# Altium PCB 0416.PcbDoc (part 1 of 3)
Units mm, origin at the board's own origin, x right, y up, seen from the top; angles counter-clockwise.
Board outline 152.4 x 101.6 mm, 4 copper layers (Top Layer, Signal Layer 2, Signal Layer 1, Bottom Layer), stack 0.778 mm thick; 260 components, 304 nets, 1192 pads, 269 vias.
Unrouted connection lines stored in the file: 259.
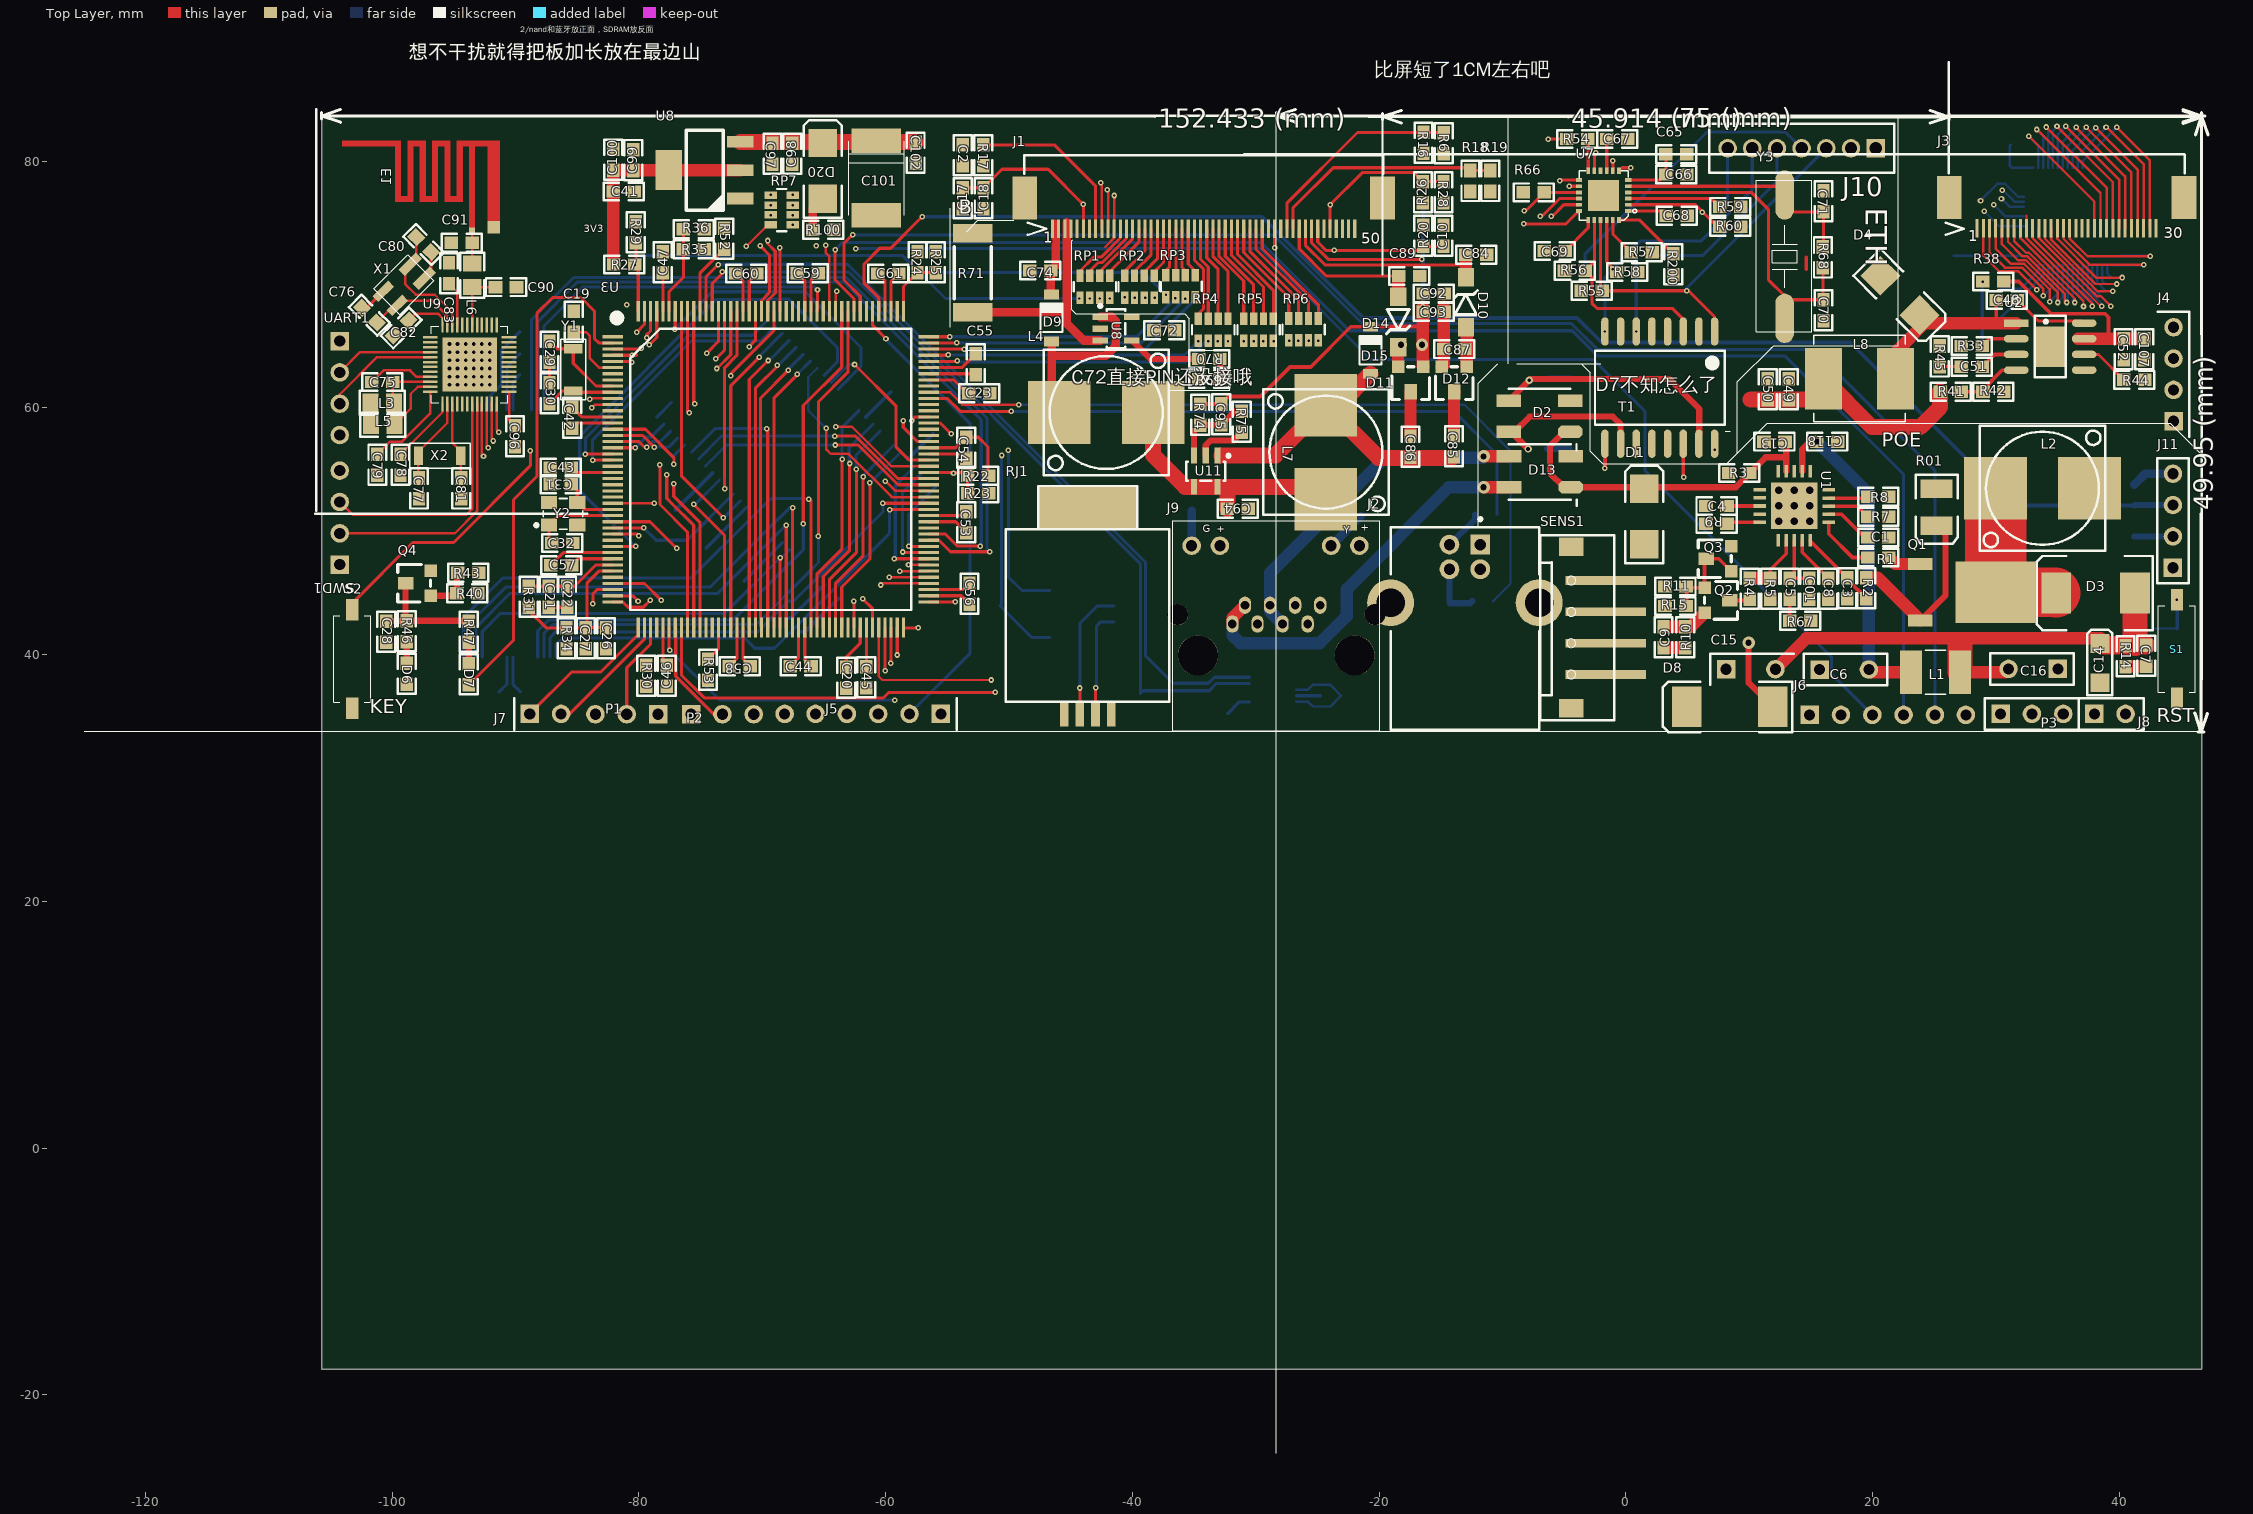
[diagram p0: Top Layer view]
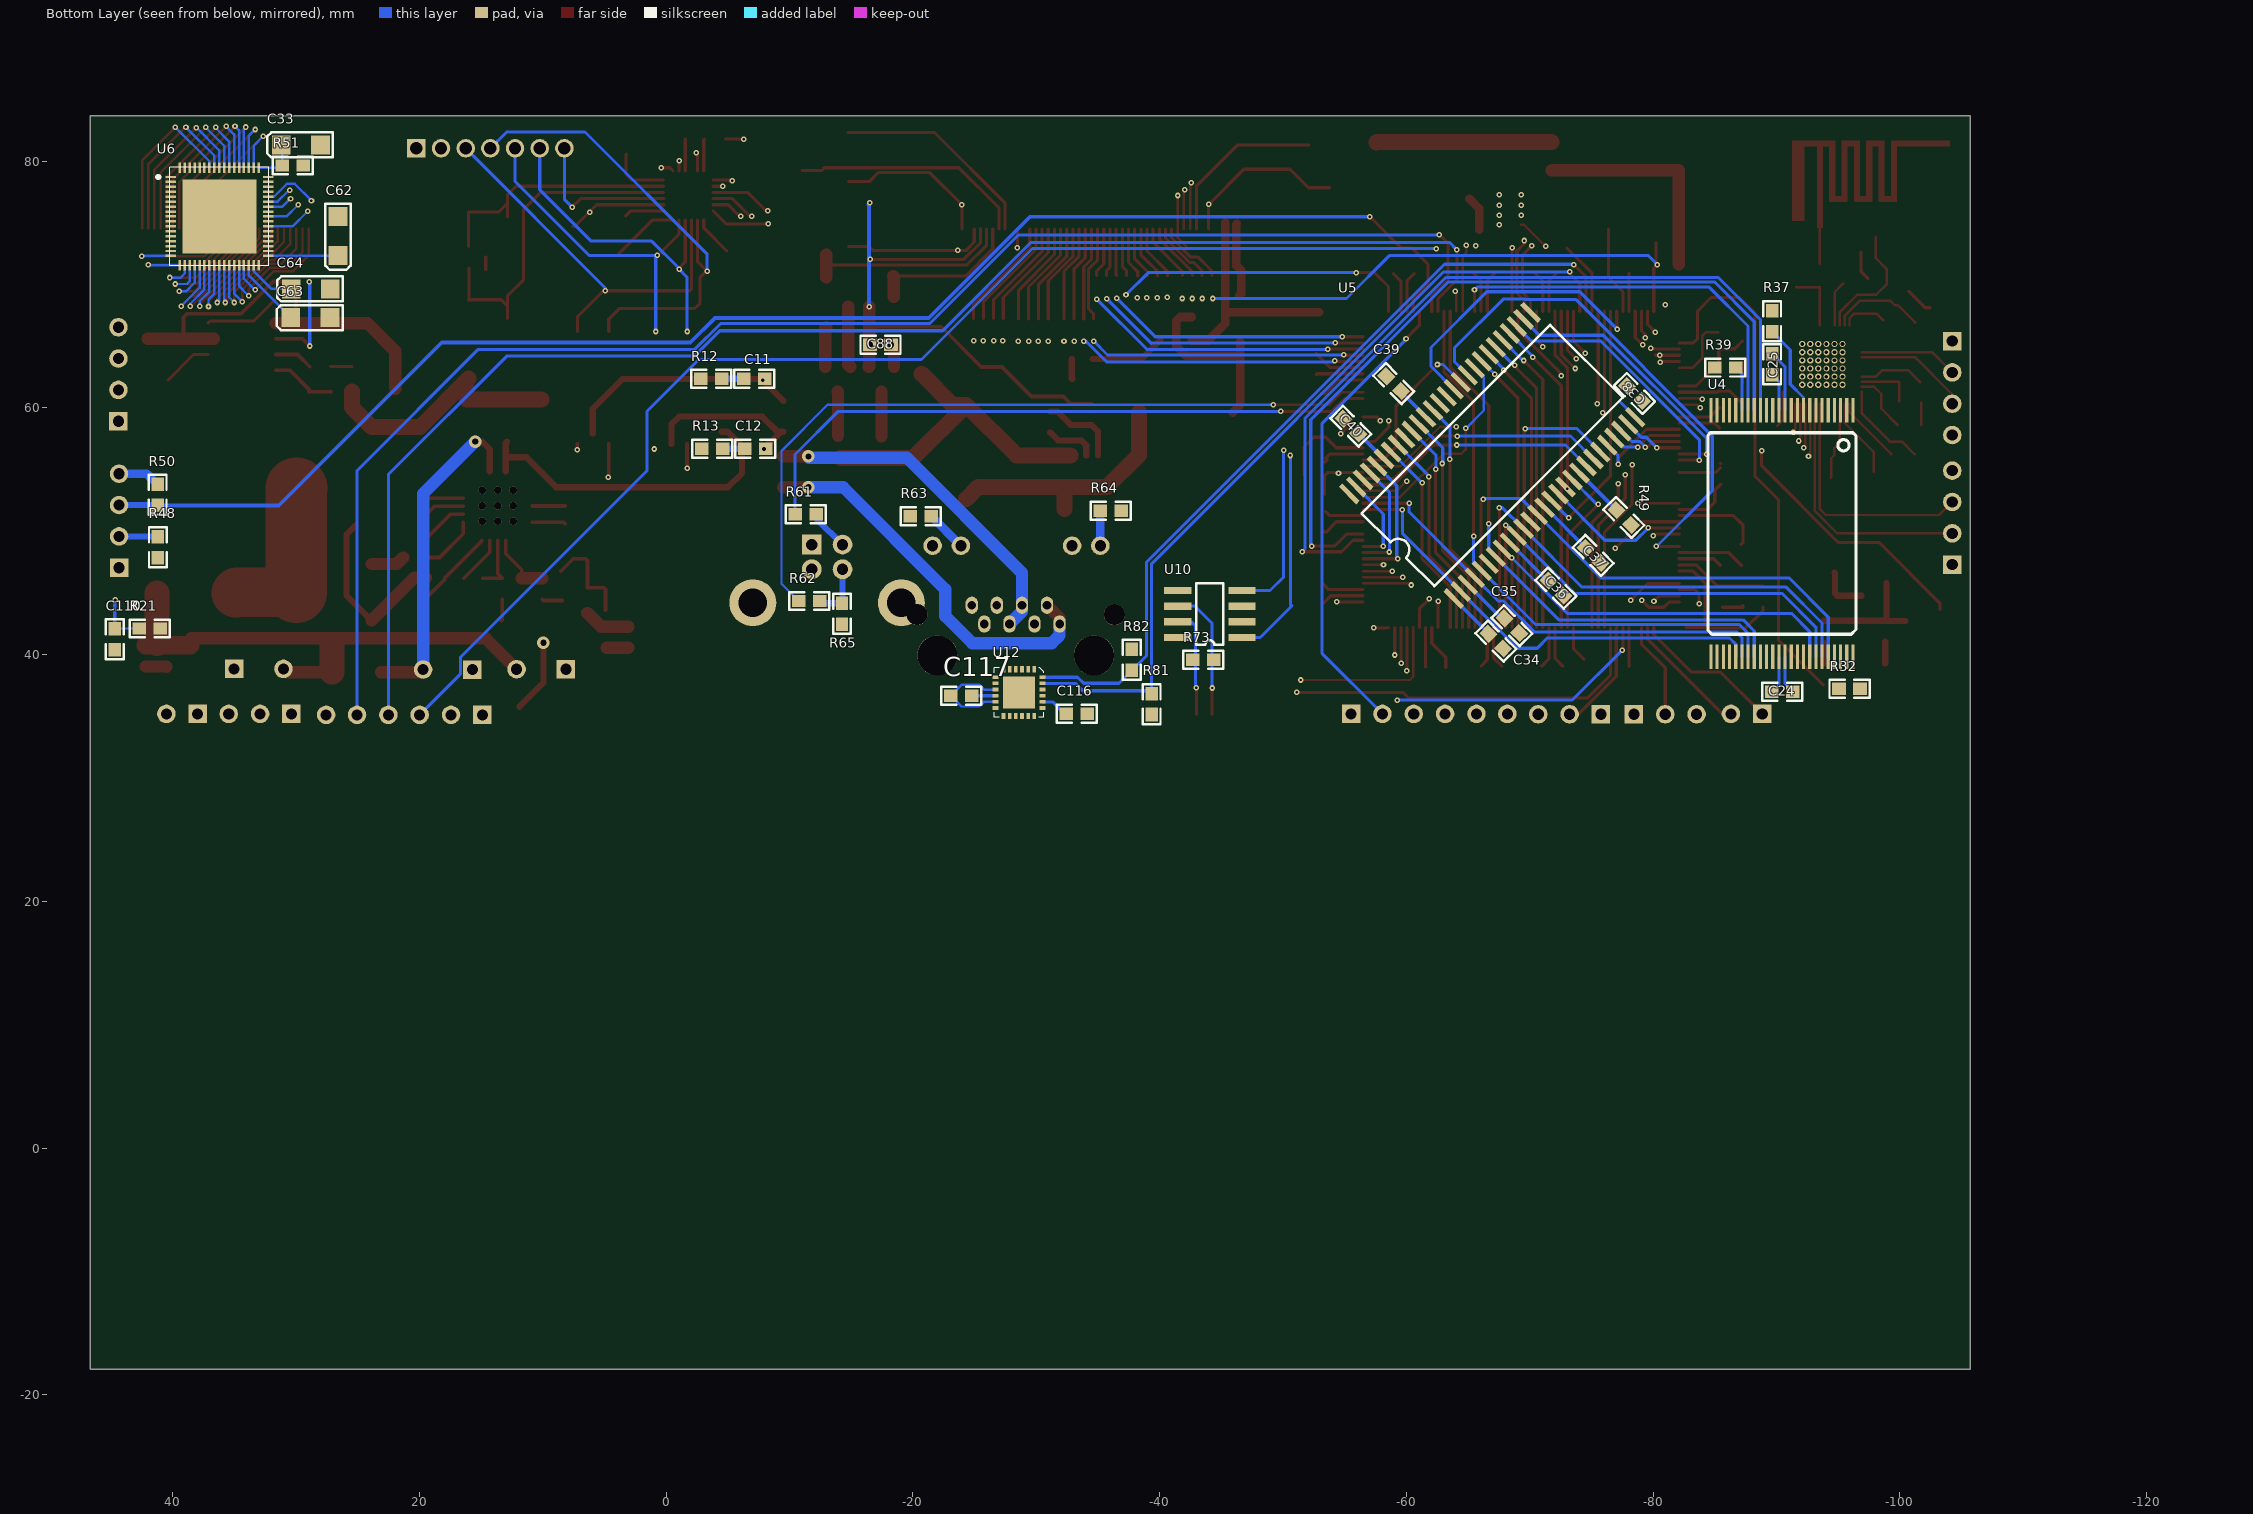
[diagram p1: Bottom Layer view, seen from below]
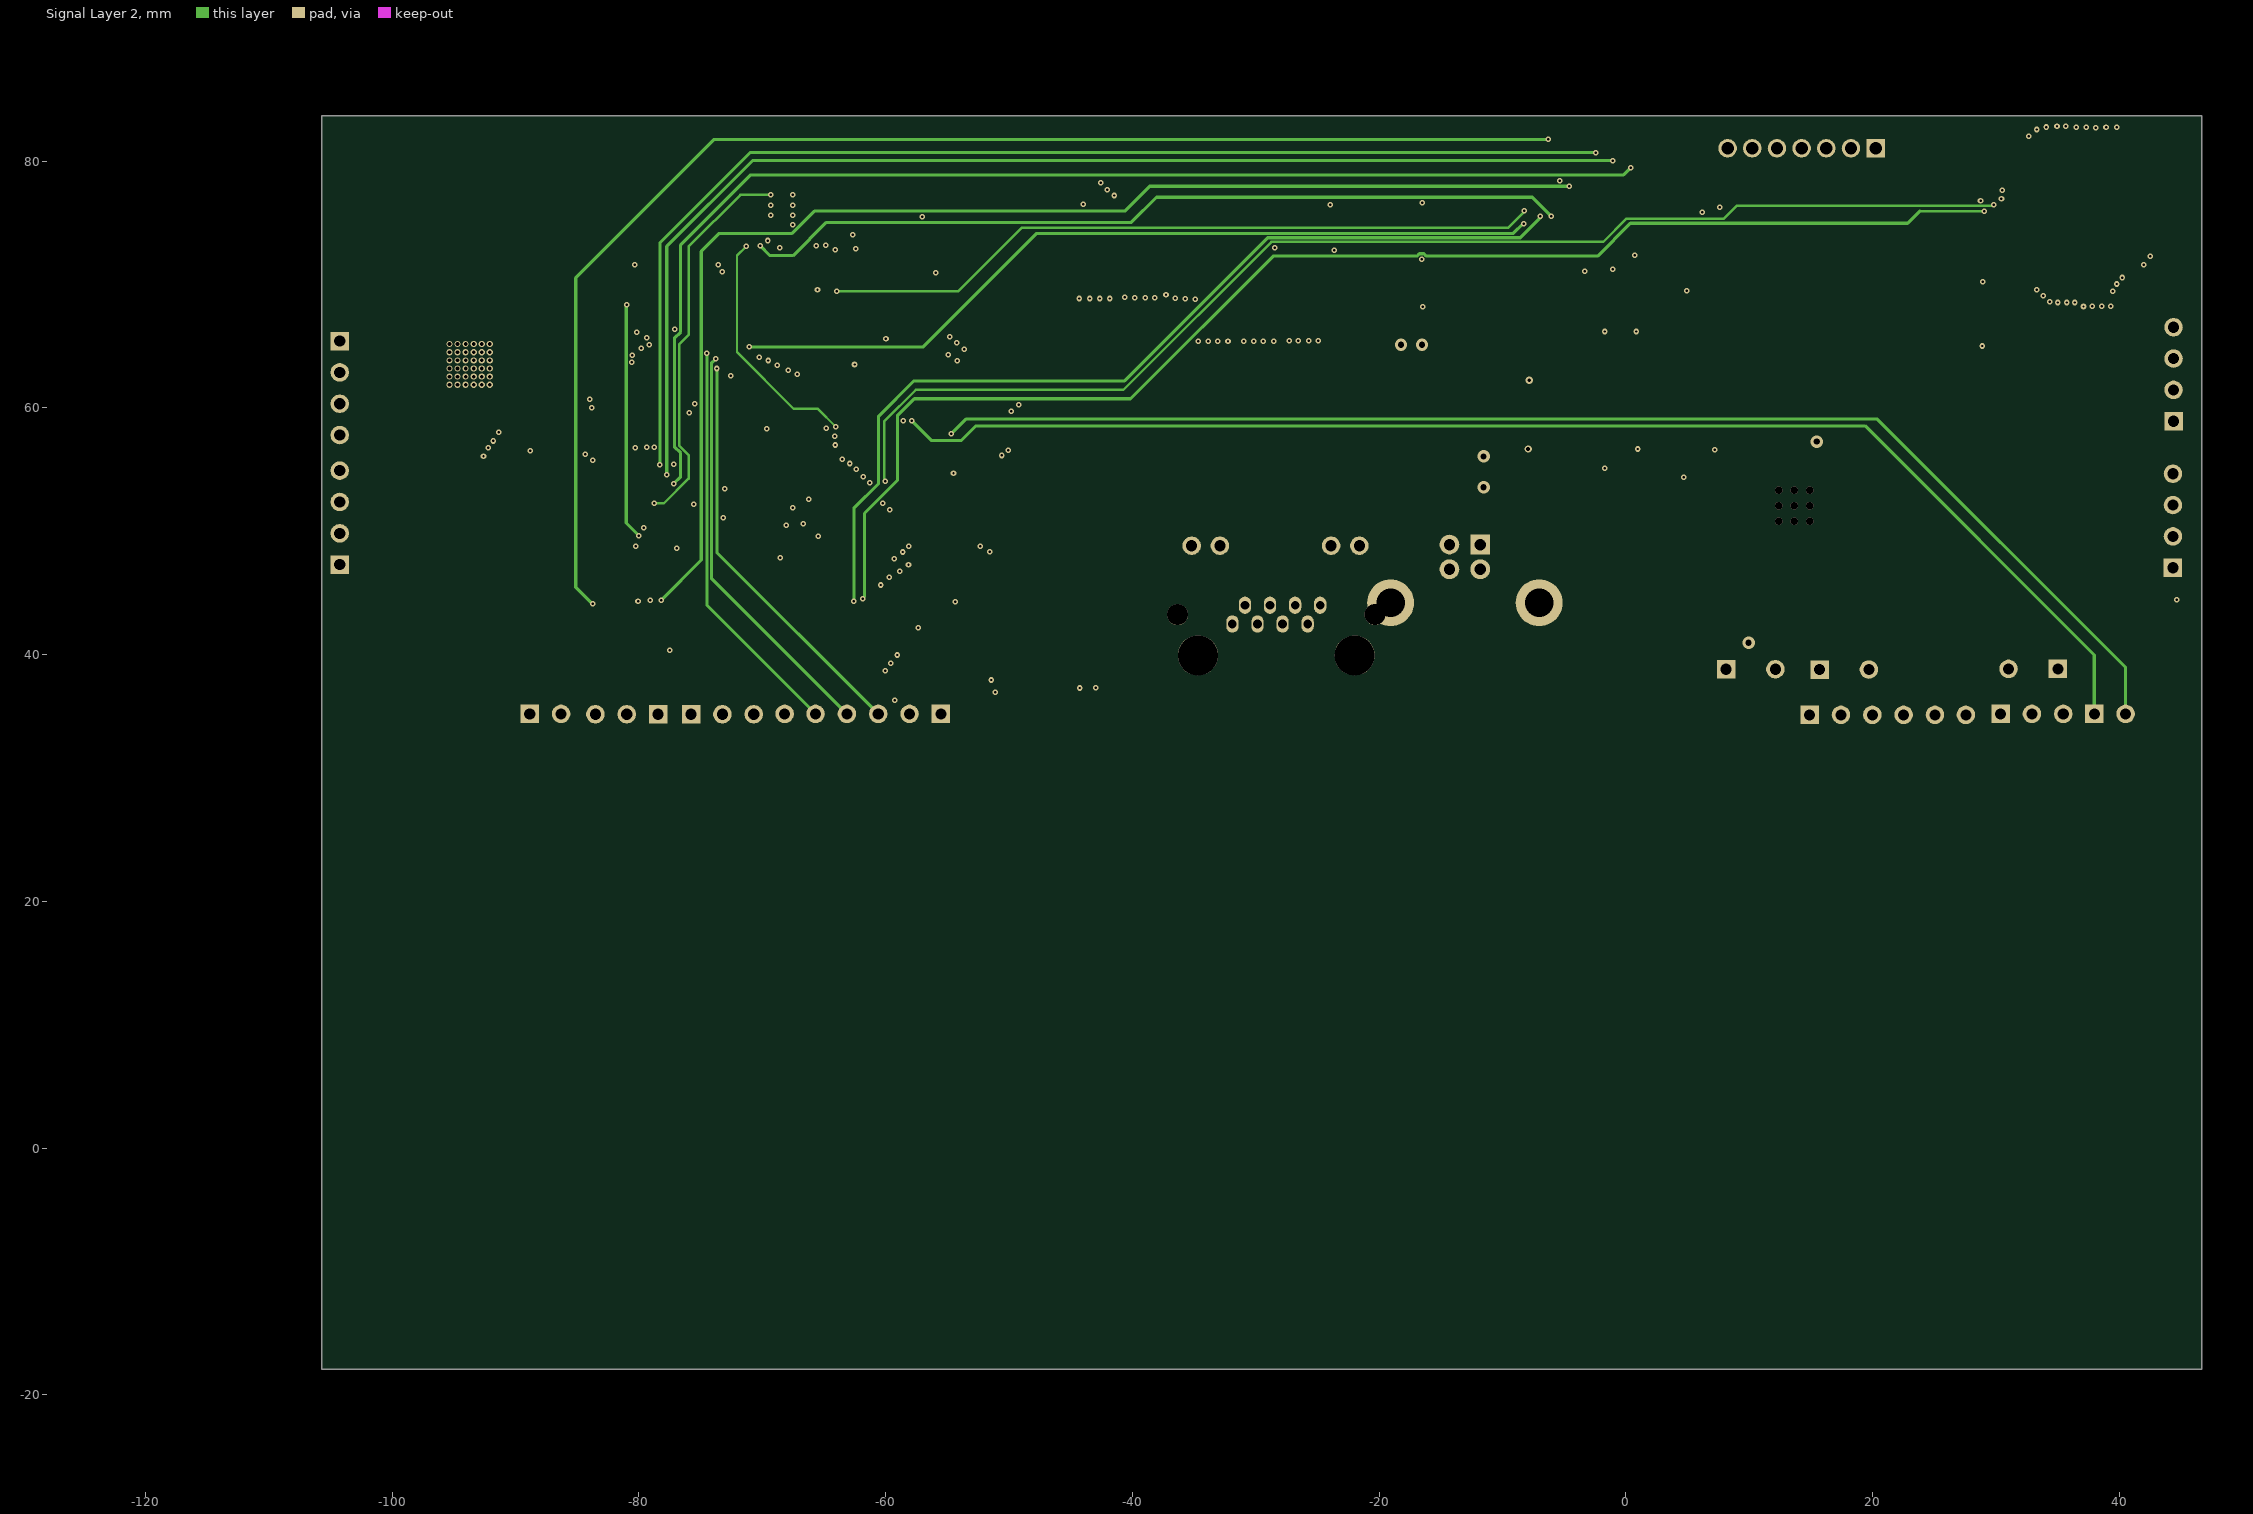
[diagram p2: Signal Layer 2]
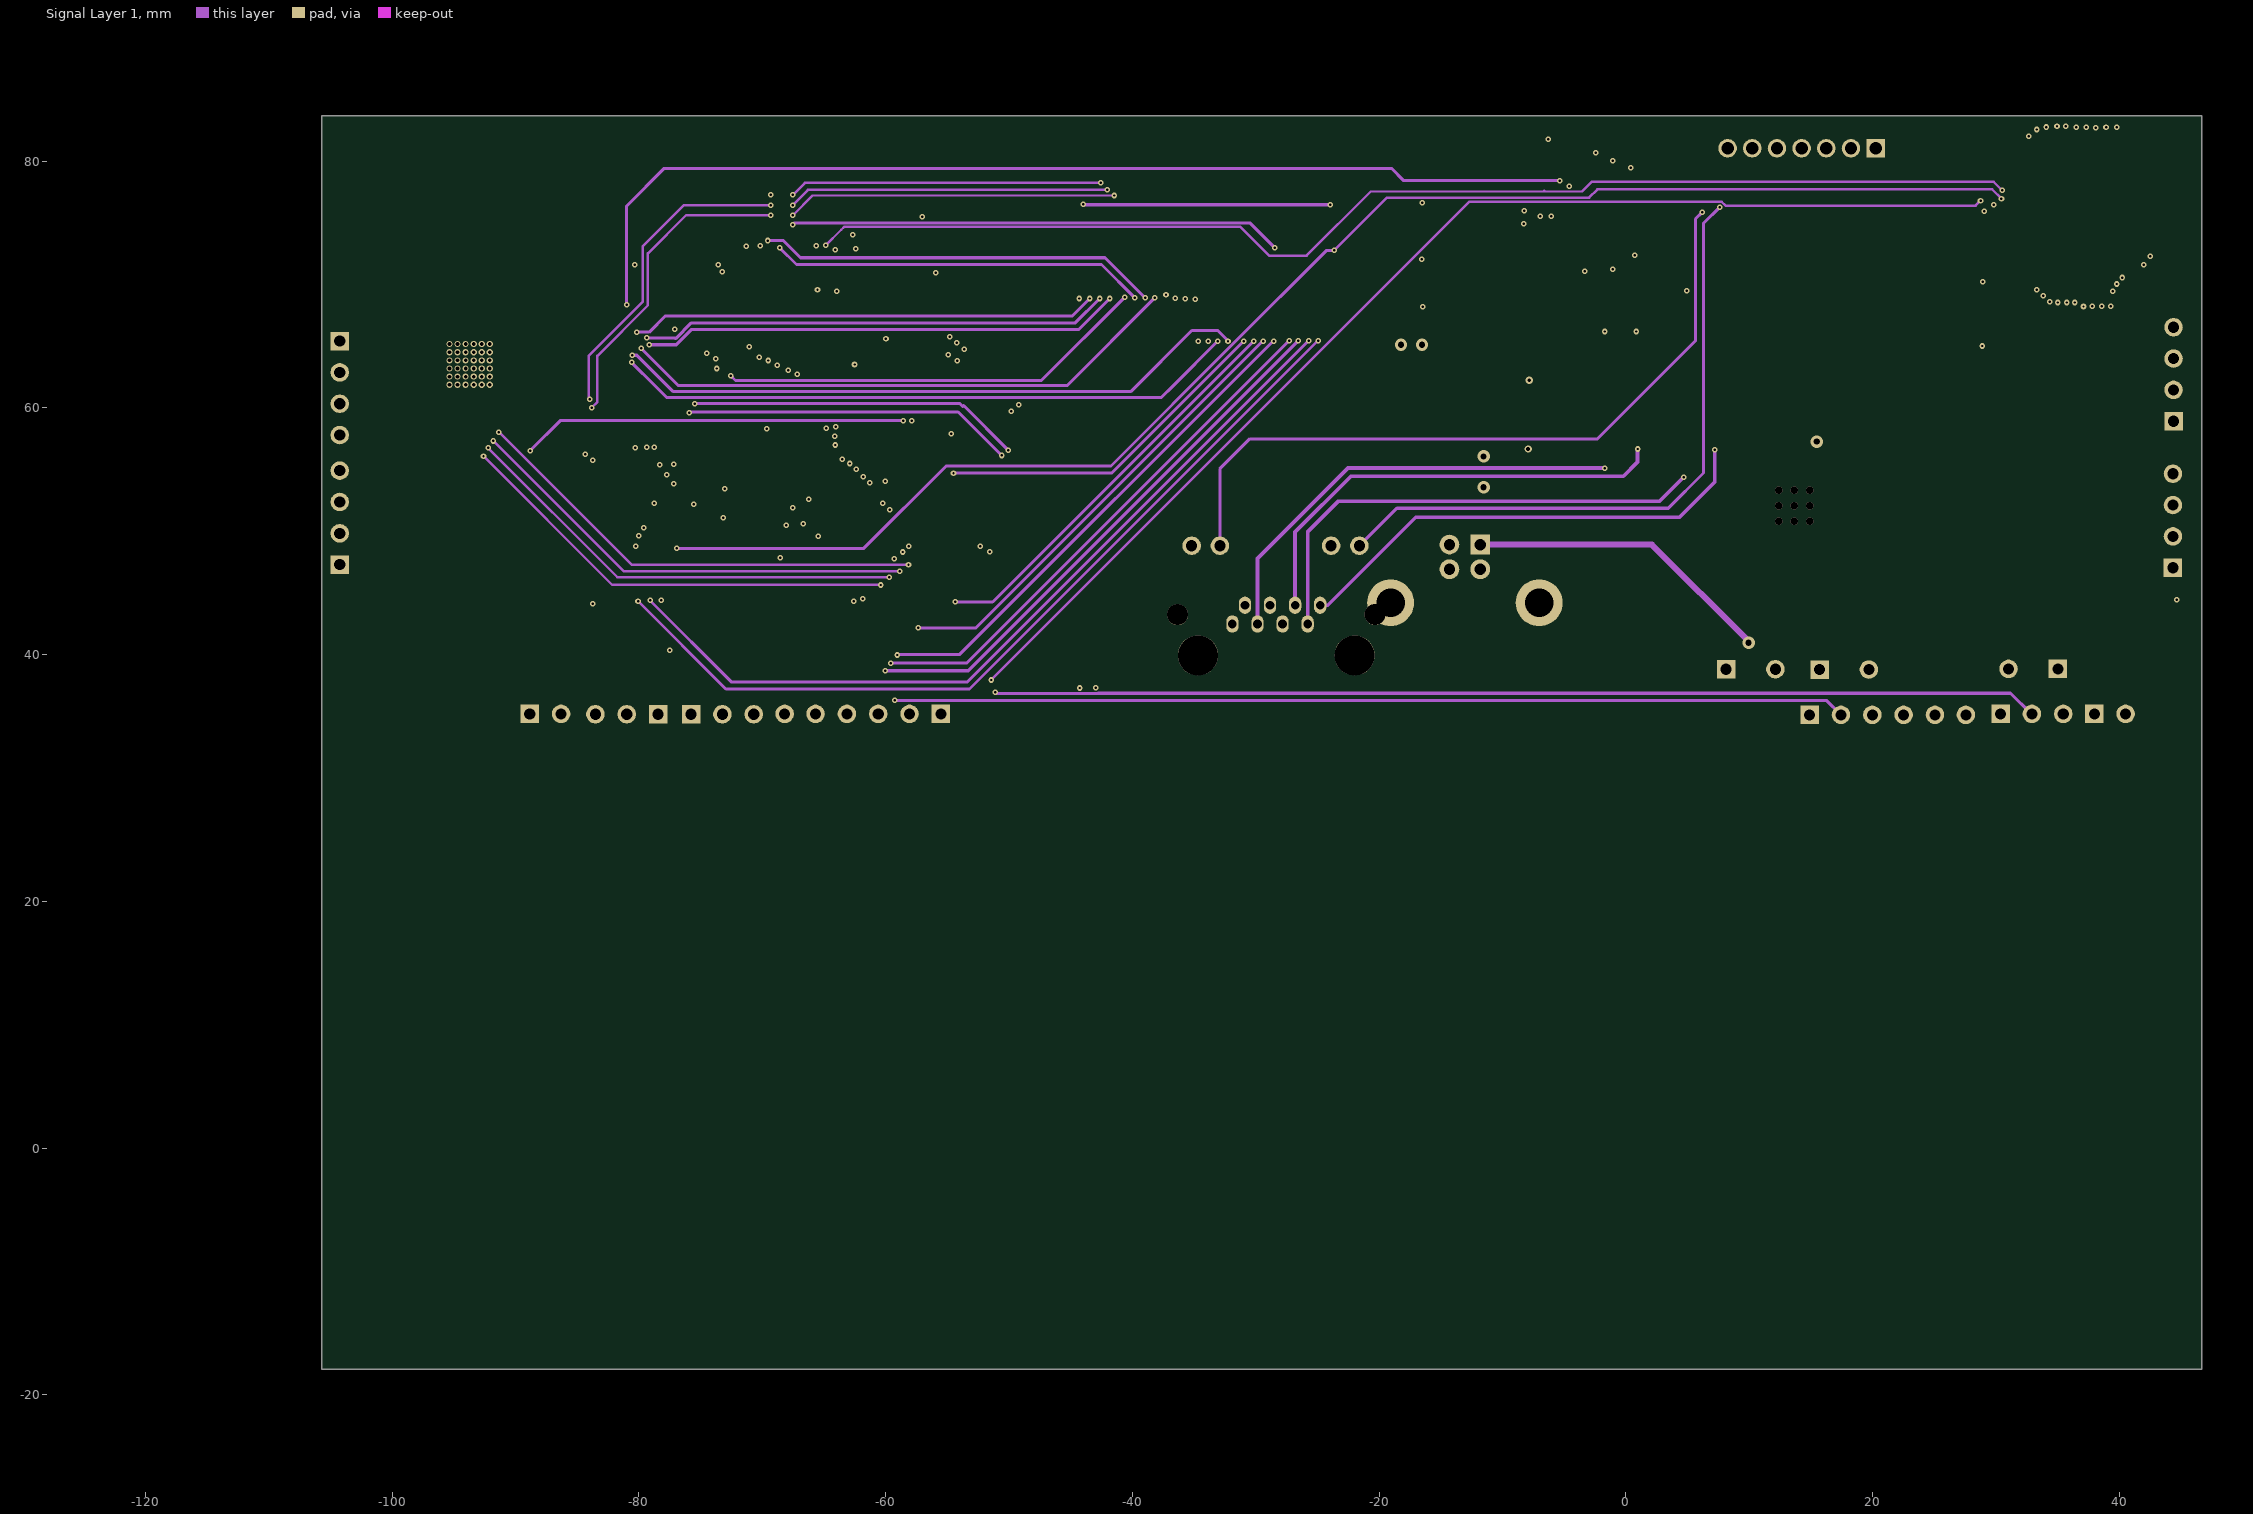
[diagram p3: Signal Layer 1]

## Layer stack, top to bottom
Top Solder: solder mask 0.0102, Solder Resist, Dk 3.5
Top Layer: signal copper 0.0356
Dielectric 1: core 0.254, FR-4, Dk 4.2
Signal Layer 2: signal copper 0.036
Dielectric 5: prepreg 0.127, Dk 4.2
Signal Layer 1: signal copper 0.036
Dielectric 4: core 0.254, Dk 4.2
Bottom Layer: signal copper 0.0356
Bottom Solder: solder mask 0.0102, Solder Resist, Dk 3.5

## Board outline
-105.725,-17.925 46.675,-17.925 46.675,83.675 -105.725,83.675

## Design rules (kind name [scope] priority, off if disabled: settings)
Clearance [All] p1: gap=0.102
ComponentClearance [All] p1: gap=0 collisioncheckmode=3 verticalgap=0 showdistances=FALSE
HoleSize [All] p1: absolutevalues=TRUE maxlimit=2 minlimit=0.2 maxpercent=80.000 minpercent=20.000
HoleToHoleClearance [All] p1: gap=0.508 allowstackedmicrovias=TRUE
MinimumSolderMaskSliver [All] p1: minsoldermaskwidth=0
PlaneConnect [All] p1: planeconnectstyle=Direct reliefexpansion=0.508 reliefentries=4 reliefconductorwidth=0.254 reliefairgap=0.254
PolygonConnect [All] p1: connectstyle=Direct reliefconductorwidth=0.254 reliefentries=4 polygonreliefangle="90 Angle" airgapwidth=0.254
RoutingVias [All] p1: holewidth=0.2 width=0.45 viastyle="Through Hole" minholewidth=0.2 minwidth=0.45 maxholewidth=2 maxwidth=3
SilkToSilkClearance [All] p1: silktosilkclearance=0
SilkToSolderMaskClearance [IsPad] p1: minsilkscreentomaskgap=0 clearancetoexposedcopper=TRUE
SolderMaskExpansion [All] p1: expansion=0.102
UnpouredPolygon [All] p1: allowunpoured=FALSE
Width [All] p1: maxlimit=25.4 minlimit=0.102 preferedwidth=0.203
22 further rules are at their usual default settings.

## Classes and differential pairs
component class 407VS429: C2 C10 C17 C18 C19 C20 C21 C22 C23 C24 C25 C26 C27 C28 C29 C30 C31 C32 C33 C34 C35 C36 C37 C38 C39 C40 C41 C42 C43 C44 C45 C46 C47 C53 C54 C55 C56 C57 C58 C59 C60 C61 C62 C63 C64 C65 C66 C67 C68 C69 C70 C71 C72 C74 C75 C76 C77 C78 C79 C80 C81 C82 C83 C84 C85 C86 C87 C88 C89 C90 C91 C92 C93 C94 C95 C96 C110 C116 C117 D6 D7 D8 D9 D10 D11 D12 D14 D15 E1 J1 J2 J3 J4 J5 J6 J7 J8 J11 L3 L4 L5 L6 L7 P1 P2 P3 Q4 R6 R16 R17 R18 R19 R20 R21 R22 R23 R24 R25 R26 R27 R28 R29 R30 R31 R32 R34 R35 R36 R37 R39 R40 R43 R46 R47 R48 R49 R50 R51 R52 R53 R54 R55 R56 R57 R58 R59 R60 R61 R62 R65 R66 R68 R69 R70 R71 R73 R74 R75 R81 R82 R200 RJ1 RP1 RP2 RP3 RP4 RP5 RP6 RP7 S1 S2 SENS1 SWD1 U3 U4 U5 U6 U7 U8 U9 U10 U11 U12 UART1 X1 X2 Y1 Y2 Y3
component class POWER: C01 C3 C4 C5 C6 C7 C8 C9 C11 C12 C13 C14 C15 C16 C48 C49 C50 C51 C52 C97 C98 C99 C100 C101 C102 C107 C116 C118 D1 D2 D3 D4 D13 D20 J9 J10 L1 L2 L8 Q1 Q2 Q3 R1 R01 R2 R3 R4 R5 R7 R8 R9 R10 R11 R12 R13 R14 R15 R33 R38 R41 R42 R44 R45 R63 R64 R67 R100 T1 U1 U2 U8
